# Altium PCB 电源模块.PcbDoc
Units mil, origin at the board's own origin, x right, y up, seen from the top; angles counter-clockwise.
Board outline 3185 x 2200 mil, 2 copper layers (Top Layer, Bottom Layer); 41 components, 19 nets, 137 pads, 2 vias.
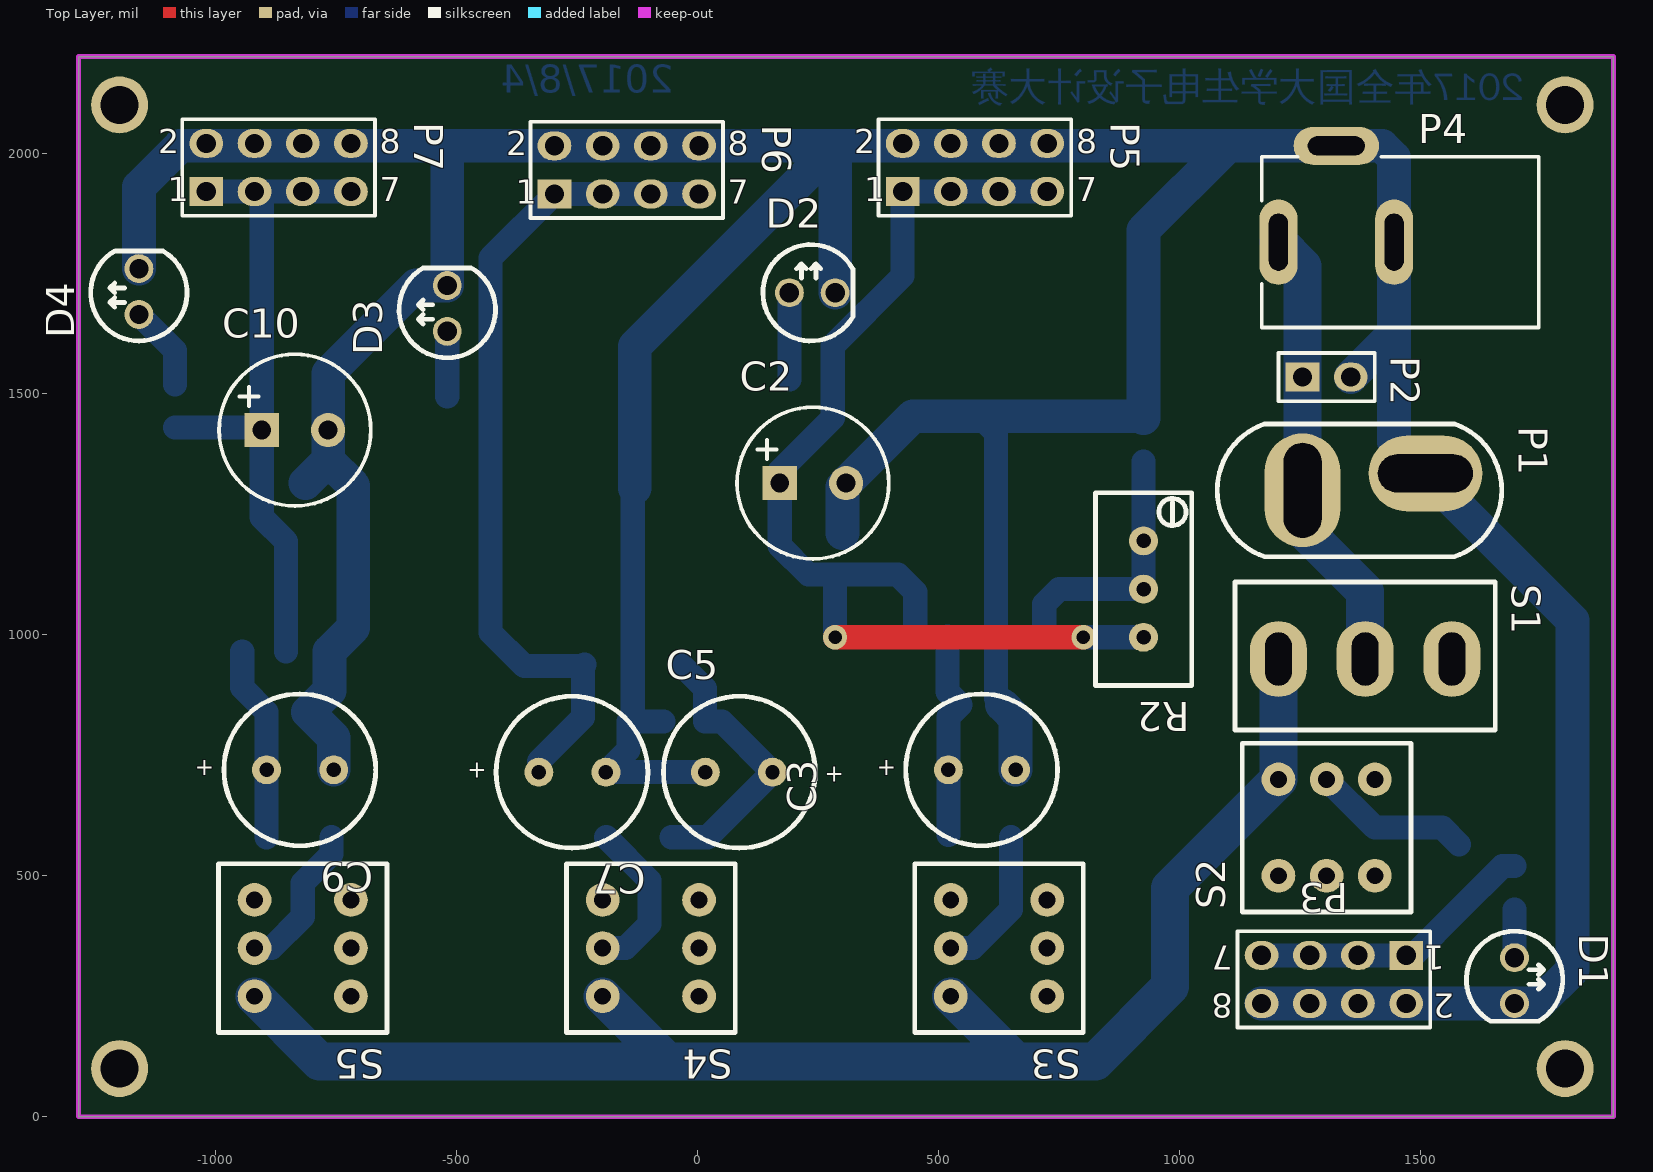
[diagram p0: Top Layer view]
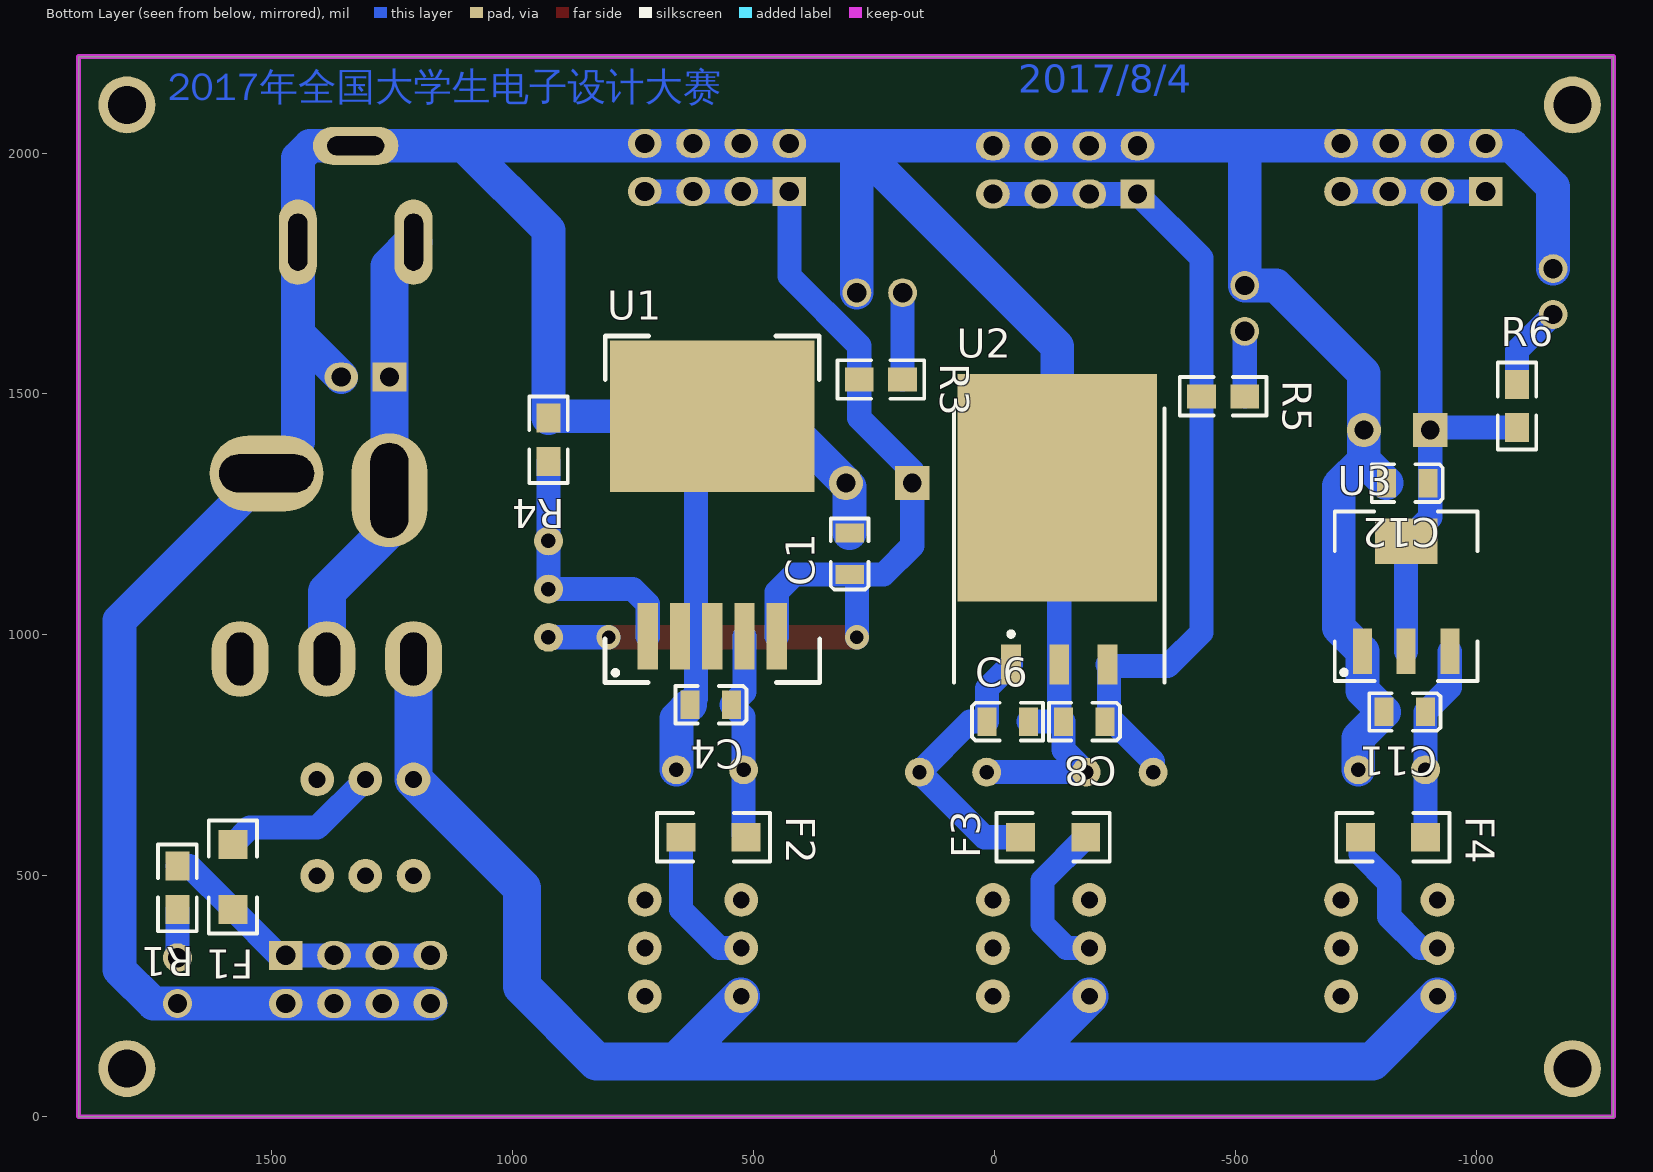
[diagram p1: Bottom Layer view, seen from below]
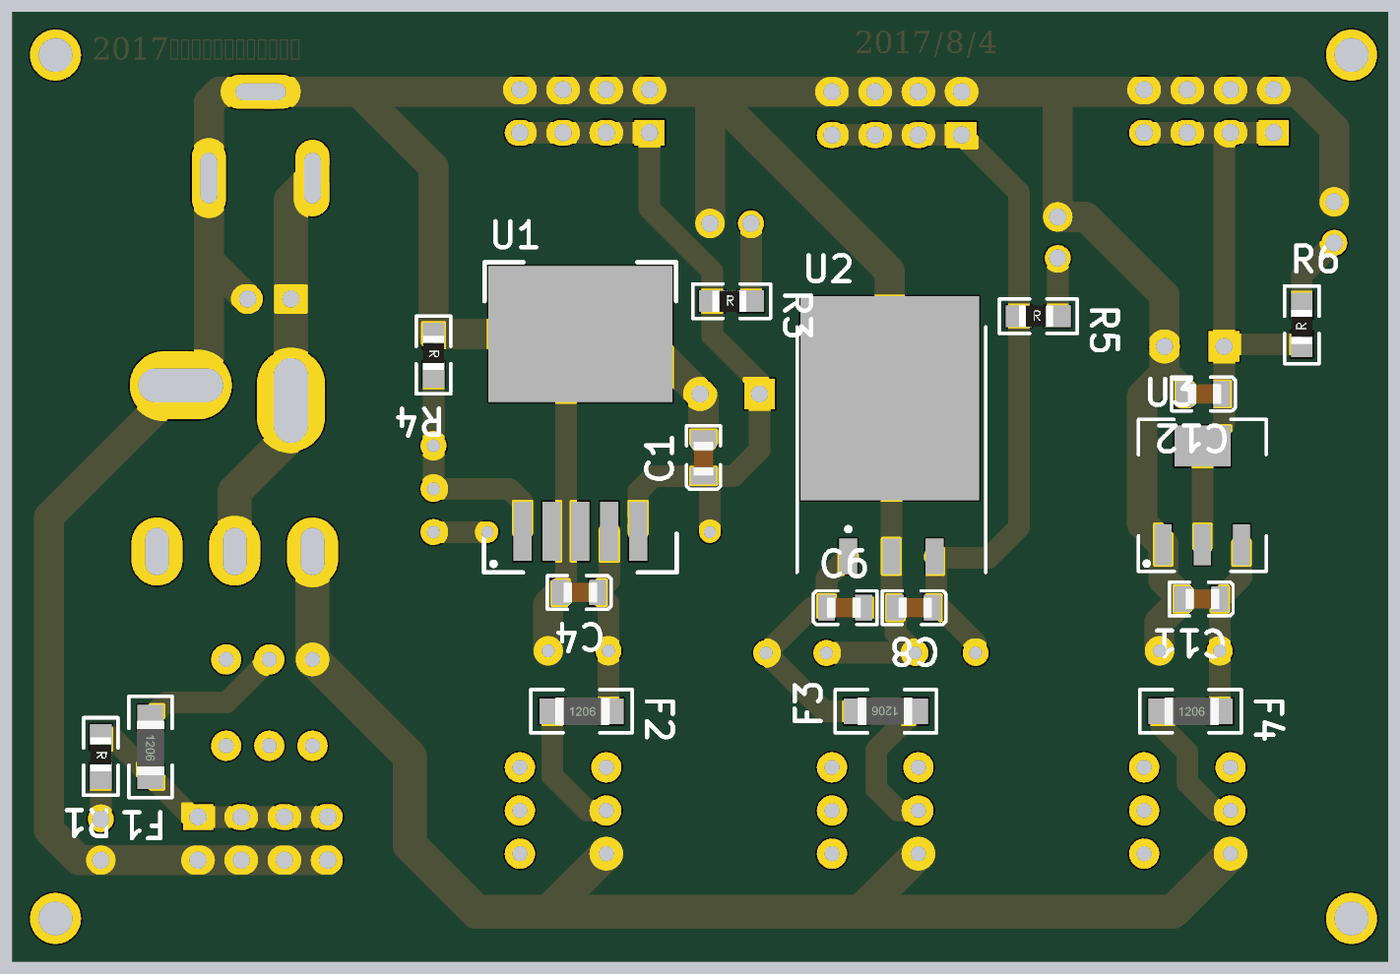
[diagram p2: 3D render of the assembled board from below, using the file's embedded part models]

## Layer stack, top to bottom
Top Solder: solder mask 0.4, Solder Resist, Dk 3.5
Top Layer: signal copper 1.4
Dielectric 1: dielectric 12.6, FR-4, Dk 4.8
Bottom Layer: signal copper 1.4
Bottom Solder: solder mask 0.4, Solder Resist, Dk 3.5

## Board outline
-1285,0 -1285,2200 1900,2200 1900,0

## Design rules (kind name [scope] priority, off if disabled: settings)
Clearance [All] p1: gap=10
HoleSize [All] p1: absolutevalues=TRUE maxlimit=400 minlimit=1 maxpercent=80.000 minpercent=20.000
PolygonConnect [All] p1: connectstyle=Relief reliefconductorwidth=10 reliefentries=4 polygonreliefangle="90 Angle" airgapwidth=10
RoutingVias [All] p1: holewidth=28 width=50 viastyle="Through Hole" minholewidth=28 minwidth=50 maxholewidth=28 maxwidth=50
SilkToSilkClearance [All] p1: silktosilkclearance=0
SilkToSolderMaskClearance [IsPad] p1: minsilkscreentomaskgap=0 clearancetoexposedcopper=TRUE
SolderMaskExpansion [All] p1: expansion=4
Width [All] p1: maxlimit=157.48 minlimit=10 preferedwidth=30
27 further rules are at their usual default settings.

## Components (designator, comment, footprint, x,y, rotation, side; value= is the part's Value field where it differs from the comment)
C1 "Cap" C-0805 300,1125 r90 bottom
C2 "Cap Pol2" C-RB-8 170,1315 r0 top
C3 "Cap Pol1" CAP-E1 520,720 r180 top
C4 "Cap" C-0805 545,855 r0 bottom
C5 "Cap Pol1" CAP-E1 155,715 r0 top
C6 "Cap" C-0805 15,820 r180 bottom
C7 "Cap Pol1" CAP-E1 -330,715 r180 top
C8 "Cap" C-0805 -230,820 r0 bottom
C9 "Cap Pol1" CAP-E1 -895,720 r180 top
C10 "Cap Pol2" C-RB-8 -905,1425 r0 top
C11 "Cap" C-0805 -895,840 r0 bottom
C12 "Cap" C-0805 -900,1315 r0 bottom
D1 "LED0" LED 1695,330 r270 top
D2 "LED0" LED 190,1710 r0 top
D3 "LED0" LED -520,1630 r90 top
D4 "LED0" LED -1160,1665 r90 top
F1 "Fuse 2" 1206 1580,565 r270 bottom
F2 "Fuse 2" 1206 650,580 r180 bottom
F3 "Fuse 2" 1206 -190,580 r0 bottom
F4 "Fuse 2" 1206 -760,580 r180 bottom
P1 "Header 2" T型插头(公) 1255,1300 r0 top
P2 "Header 2" HDR1X2 1255,1535 r0 top
P3 "Header 4X2" HDR2X4 1470,335 r180 top
P4 "Header 3" DC-005 1170,1815 r0 top
P5 "Header 4X2" HDR2X4 425,1920 r0 top
P6 "Header 4X2" HDR2X4 -297.5,1915 r0 top
P7 "Header 4X2" HDR2X4 -1020,1920 r0 top
R1 "Res2" 0805 1695,480 r270 bottom
R2 "RES-ADJ" RES_V 925,1095 r270 top
R3 "Res2" 0805 240,1530 r180 bottom
R4 "Res2" 0805 925,1410 r270 bottom
R5 "Res2" 0805 -470,1495 r180 bottom
R6 "Res2" 0805 -1085,1470 r90 bottom
S1 "SW-SPDT" SWITCH_B 1385,950 r0 top
S2 "SW-SPST" SW-6pin 1305,600 r90 top
S3 "SW-SPST" SW-6pin 625,350 r180 top
S4 "SW-SPST" SW-6pin -97.5,350 r180 top
S5 "SW-SPST" SW-6pin -820,350 r180 top
U1 "LM2941" LM2941 585,1240 r180 bottom
U2 "LM2940-5.0V" TO-263-3 -135,1105 r180 bottom
U3 "AMS1117" AMS1117 -855,1080 r180 bottom

## Footprints (in the part's own frame and the unit in brackets; to place one, negate y for a bottom-side part, rotate by r counter-clockwise, add the part's x,y. Pads: shape width x height; smd on the part's side, far side on the other; paste and mask are expansions set on the pad)
0805 [mil]
  rect 60x50 smd: 1(-40,0) 2(50,0)
  silkscreen extent -85,-40 95,40, body extent -39,-24 39,29, height 26
1206 [mil]
  rect 60x60 smd: 1(0,0) 2(135,0)
  silkscreen extent -50,-50 185,50, body extent 7,-32 133,32, height 23
AMS1117 [mm]
  rect 1x2.4 smd: 1(-2.3,-2.9) 2(0,-2.9) 3(2.3,-2.9)
  rect 3.3x2.4 smd: 2(0,2.9)
  silkscreen extent -3.76,-4.47 3.76,4.47, body extent -3.4,-1.9 3.4,1.9, height 3
C-0805 [mm]
  rect 1x1.5 smd: 1(0,0) 2(2.184,0)
  silkscreen extent -0.79,-0.99 2.96,0.99, body extent 0.02,-0.6 2.02,0.6, height 0.95
C-RB-8 [mm] "35V 220UF电容"
  rect 1.8x1.8 hole 1: 1(0,0)
  round 1.8 hole 1: 2(3.5,0)
  silkscreen extent -2.25,-4 5.75,4
CAP-E1 [mil]
  round 60 hole 30: 1(0,0) 2(-139.37,0)
  silkscreen extent -226,-157 89,157
DC-005 [mm] "DC母座5.5mm"
  oval 2x4.5 hole 1 slot 3 at 90 deg: 1(0.889,0) 2(6.985,0)
  oval 4.5x2 hole 1 slot 3 at 0 deg: 3(3.937,5.08)
  silkscreen extent 0,-4.5 14.6,4.5, body extent 0,-4.44 14.6,4.44, height 11
HDR1X2 [mil] "Connector; Header; 2 Position"
  rect 70x60 hole 40: 1(0,0)
  oval 70x60 hole 40: 2(100,0)
  silkscreen extent -50,-50 150,50
HDR2X4 [mil] "Connector; Header; 4x2 Position"
  rect 70x60 hole 40: 1(0,0)
  oval 70x60 hole 40: 2(0,100) 3(100,0) 4(100,100) 5(200,0) 6(200,100) 7(300,0) 8(300,100)
  silkscreen extent -50,-50 350,150
LED [mil]
  round 60 hole 40: 1(0,0) 2(95,0)
  silkscreen extent -55,-100 132,100
LM2941 [mm]
  rect 1.07x3.5 smd: 1(-3.4,-6.175) 2(-1.7,-6.175) 3(0,-6.175) 4(1.7,-6.175) 5(3.4,-6.175)
  rect 10.8x8 smd: 3(0,5.433)
  silkscreen extent -5.66,-8.6 5.66,9.65, body extent -5.21,-4.45 5.2,4.45, height 4.65
RES_V [mil]
  round 60 hole 30: 1(-100,0) 2(0,0) 3(100,0)
  silkscreen extent -200,-100 200,100
SW-6pin [mil]
  round 70 hole 35: 1(100,100) 2(100,0) 3(100,-100) 4(-100,-100) 5(-100,0) 6(-100,100)
  silkscreen extent -175,-175 175,175
SWITCH_B [mm]
  oval 3x4 hole 1.4 slot 2.8 at 90 deg: 1(-4.572,0) 2(0,0) 3(4.572,0)
  silkscreen extent -6.86,-3.75 6.86,4.06
TO-263-3 [mm] "LM2940/LM1086"
  rect 1.05x2.1 smd: 1(-2.54,-4.225) 2(0,-4.225) 3(2.54,-4.225)
  rect 10.5x12 smd: 4(-0.104,5.08)
  silkscreen extent -5.55,-5.17 5.55,9.28, body extent -5.33,-4.7 5.33,9.27, height 1.6
T型插头(公) [mm]
  oval 4x6 hole 2 slot 5 at 90 deg: 1(0,0)
  oval 6x4 hole 2 slot 5 at 0 deg: 2(6.477,0.889)
  silkscreen extent -4.5,-3.5 10.5,3.5

## Part data
C1 C4 C6 C8 C11 C12: "Capacitor"
C2 C10: "Polarized Capacitor (Axial)"
C3 C5 C7 C9: "Polarized Capacitor (Radial)"
D1 D2 D3 D4: "Typical INFRARED GaAs LED"
F1 F2 F3 F4: "Fuse"
P1 P2: "Header, 2-Pin"
P3 P5 P6 P7: "Header, 4-Pin, Dual row"
P4: "Header, 3-Pin"
R1 R3 R4 R5 R6: "Resistor"
S1: "SPDT Subminiature Toggle Switch, Right Angle Mounting, Vertical Actuation"
S2 S3 S4 S5: "Single-Pole, Single-Throw Switch"
U2: library part LM2940, "5V稳压芯片"

## Free pads (board coordinates)
  round 118.11 hole 78.74: 2(-1200,2100) 3(1800,2100) 4(1800,100) 5(-1200,100)

## Via types
v1: diameter 50, hole 28, Top Layer to Bottom Layer, 2 vias

## Nets (pads, with @x,y where several pads share a name; then routed paths per layer and width w, separated by ;. In a path a pad name is that pad's centre, name@x,y a point inside that pad or via, vN(x,y) a via of type N, cw(c..) or ccw(c..) an arc to the next point about the centre after c; other vN are vias at no path point)
DC+: P1.1 P2.1 P4.1 S1.2 | length 939.6
  Bottom Layer w78.74: P4.1 1255,1765 P2.1 P1.1 1255,1220 1385,1090 S1.2
DC-: C1.2 C2.2 C3.2 C4.2 C5.2 C6.2 C7.2 C8.2 C9.2 C10.2 C11.2 C12.2 D1.2 D2.2 D3.2 D4.2 P1.2 P2.2 P3.2 P3.4 P3.6 P3.8 P4.2 P4.3 P5.2 P5.4 P5.6 P5.8 P6.2 P6.4 P6.6 P6.8 P7.2 P7.4 P7.6 P7.8 R4.1 U1.2 U1.3 U2.2 U2.4 U3.1 | length 11311.5
  Bottom Layer w50: U2.4 -135,1300.91 U2.2 -135,829 C8.2 ; C6.2 C8.2 ; C5.2 C7.2 -144,761.63 C8.2 ; U1.3@585,1453.9 618.46,1420.43 618.46,867.54 C4.2
  Bottom Layer w70: D4.2 -1160,1930 -1075,2015 -520,2015 ; C12.2 -767.2,1361.8 ; C9.2 -755.63,786.63 C11.2 -764.45,884.55 U3.1 -715,1015.28 -715,1309.59 -767.2,1361.8 ; U2.4 -130.91,1599.09 285,2015 ; D2.2 285,2015 ; C1.2 300,1307.2 C2.2 446.69,1453.9 585,1453.9 921.1,1453.9 R4.1 925,1840 1100,2015 ; C4.2 659.37,826.63 C3.2 ; P3.8 P3.6 P3.4 P3.2 D1.2 1745,235 1815,305 1815,1030 P1.2 1445,1400 1445,1625 ; P2.2 1445,1625 ; -767.2,1361.8 C10.2 -767.2,1542.8 -585,1725 D3.2 -520,2015 ; -520,2015 P6.2 P6.4 P6.6 P6.8 285,2015 ; 285,2015 1100,2015 ; 1100,2015 P4.3 1420,2015 1445,1990 P4.2 1445,1625
NetC1_1: C1.1 C2.1 P5.1 P5.3 P5.5 P5.7 R2.3 R3.1 U1.5 | length 2329.8
  Top Layer w50: v1(285,995) v1(800,995)
  Bottom Layer w50: v1(285,995) 285,1110 C1.1 ; U1.5 451.14,1088.86 415,1125 C1.1 ; P5.7 P5.5 P5.3 P5.1 425,1745 280,1600 R3.1 280,1450 170,1340 C2.1 170,1185 230,1125 C1.1 ; v1(800,995) R2.3
NetC3_1: C3.1 C4.1 F2.2 U1.4 | length 433.4
  Bottom Layer w50: U1.4 518.07,881.93 C4.1 520,830 C3.1 F2.2@520,585
NetC5_1: C5.1 C6.1 F3.2 U2.1 | length 588.8
  Bottom Layer w50: F3.2 20,580 C5.1 50,820 C6.1 15,888.66 U2.1
NetC7_1: C7.1 C8.1 P6.1 P6.3 P6.5 P6.7 R5.1 U2.3 | length 1748.2
  Bottom Layer w50: C7.1 -330,737.32 -238.66,828.66 U2.3@-238.66,935 ; U2.3 U2.3@-238.66,935 ; P6.7 P6.5 P6.3 P6.1 -430,1782.5 R5.1 -430,1005 -360,935 U2.3@-238.66,935
NetC9_1: C9.1 C11.1 F4.2 U3.3 | length 406.8
  Bottom Layer w50: U3.3 -945.55,890.55 C11.1 C9.1 F4.2
NetC10_1: C10.1 C12.1 P7.1 P7.3 P7.5 P7.7 R6.1 U3.2 | length 1456.1
  Bottom Layer w50: R6.1 C10.1@-910,1430 ; P7.1 P7.3 ; U3.2@-855,965.83 -855,1194.17 -905,1244.17 C10.1 -905,1905 P7.3 ; P7.7 P7.5 P7.3
NetD1_1: D1.1 R1.2 | length 100
  Bottom Layer w50: D1.1 R1.2
NetD2_1: D2.1 R3.2 | length 180
  Bottom Layer w50: R3.2 D2.1
NetD3_1: D3.1 R5.2 | length 135
  Bottom Layer w50: R5.2 D3.1
NetD4_1: D4.1 R6.2 | length 176.1
  Bottom Layer w50: D4.1 -1085,1590 R6.2
NetF1_1: F1.1 S2.2 | length 330.9
  Bottom Layer w50: S2.2 1405,600 1545,600 F1.1
NetF1_2: F1.2 P3.1 P3.3 P3.5 P3.7 R1.1 | length 601.6
  Bottom Layer w50: P3.7 P3.5 P3.3 P3.1 1485,335 F1.2 1670,520 R1.1
NetF2_1: F2.1 S3.2 | length 308.1
  Bottom Layer w50: S3.2 570,350 650,430 F2.1
NetF3_1: F3.1 S4.2 | length 335.5
  Bottom Layer w50: S4.2 -150,350 -100,400 -100,490 F3.1
NetF4_1: F4.1 S5.2 | length 316.8
  Bottom Layer w50: S5.2 -885,350 -820,415 -820,485 -760,545 F4.1
NetR2_1: R2.1 R2.2 R4.2 U1.1 | length 551
  Bottom Layer w50: U1.1 718.86,1063.86 750,1095 R2.2 R2.1 R4.2
NetS1_1: S1.1 S2.1 S3.1 S4.1 S5.1 | length 3175.2
  Bottom Layer w78.74: S5.1 -785,115 -62.5,115 ; S4.1 -62.5,115 ; S3.1 660,115 ; S1.1 S2.1 980,475 980,270 825,115 660,115 ; -62.5,115 660,115
pads on no net: S1.3 S2.3 S2.4 S2.5 S2.6 S3.3 S3.4 S3.5 S3.6 S4.3 S4.4 S4.5 S4.6 S5.3 S5.4 S5.5 S5.6

## Keep-outs
Keep-Out Layer:
  the board outline again, w10

## Other copper
Bottom Layer:
  text "2017/8/4" at -50,2105 h100
  text "2017年全国大学生电子设计大赛" at 1715,2090 h100

## Text inside footprints (layer, text, board x,y; h text height)
C3: Top Overlay "+" at 411.73,739.68 h35 r180
C5: Top Overlay "+" at 263.27,695.32 h35
C7: Top Overlay "+" at -438.27,734.68 h35 r180
C9: Top Overlay "+" at -1003.27,739.68 h35 r180
P3: Top Overlay "8" at 1110,255 h50 r180; Top Overlay "7" at 1110,355 h50 r180; Top Overlay "1" at 1550,355 h50 r180; Top Overlay "2" at 1570,255 h50 r180
P5: Top Overlay "8" at 785,2000 h50; Top Overlay "7" at 785,1900 h50; Top Overlay "1" at 345,1900 h50; Top Overlay "2" at 325,2000 h50
P6: Top Overlay "8" at 62.5,1995 h50; Top Overlay "7" at 62.5,1895 h50; Top Overlay "1" at -377.5,1895 h50; Top Overlay "2" at -397.5,1995 h50
P7: Top Overlay "8" at -660,2000 h50; Top Overlay "7" at -660,1900 h50; Top Overlay "1" at -1100,1900 h50; Top Overlay "2" at -1120,2000 h50